# Altium PCB ST1-1-BASIS.PcbDoc (part 5 of 7)
Units mm, origin at the board's own origin, x right, y up, seen from the top; angles counter-clockwise.
Board outline 88 x 170 mm, 6 copper layers (Top Layer, Mid 1, Mid 2 (GND), Mid 3 (PWR), Mid 4, Bottom Layer), stack 1.55 mm thick; 633 components, 333 nets, 1767 pads, 930 vias.
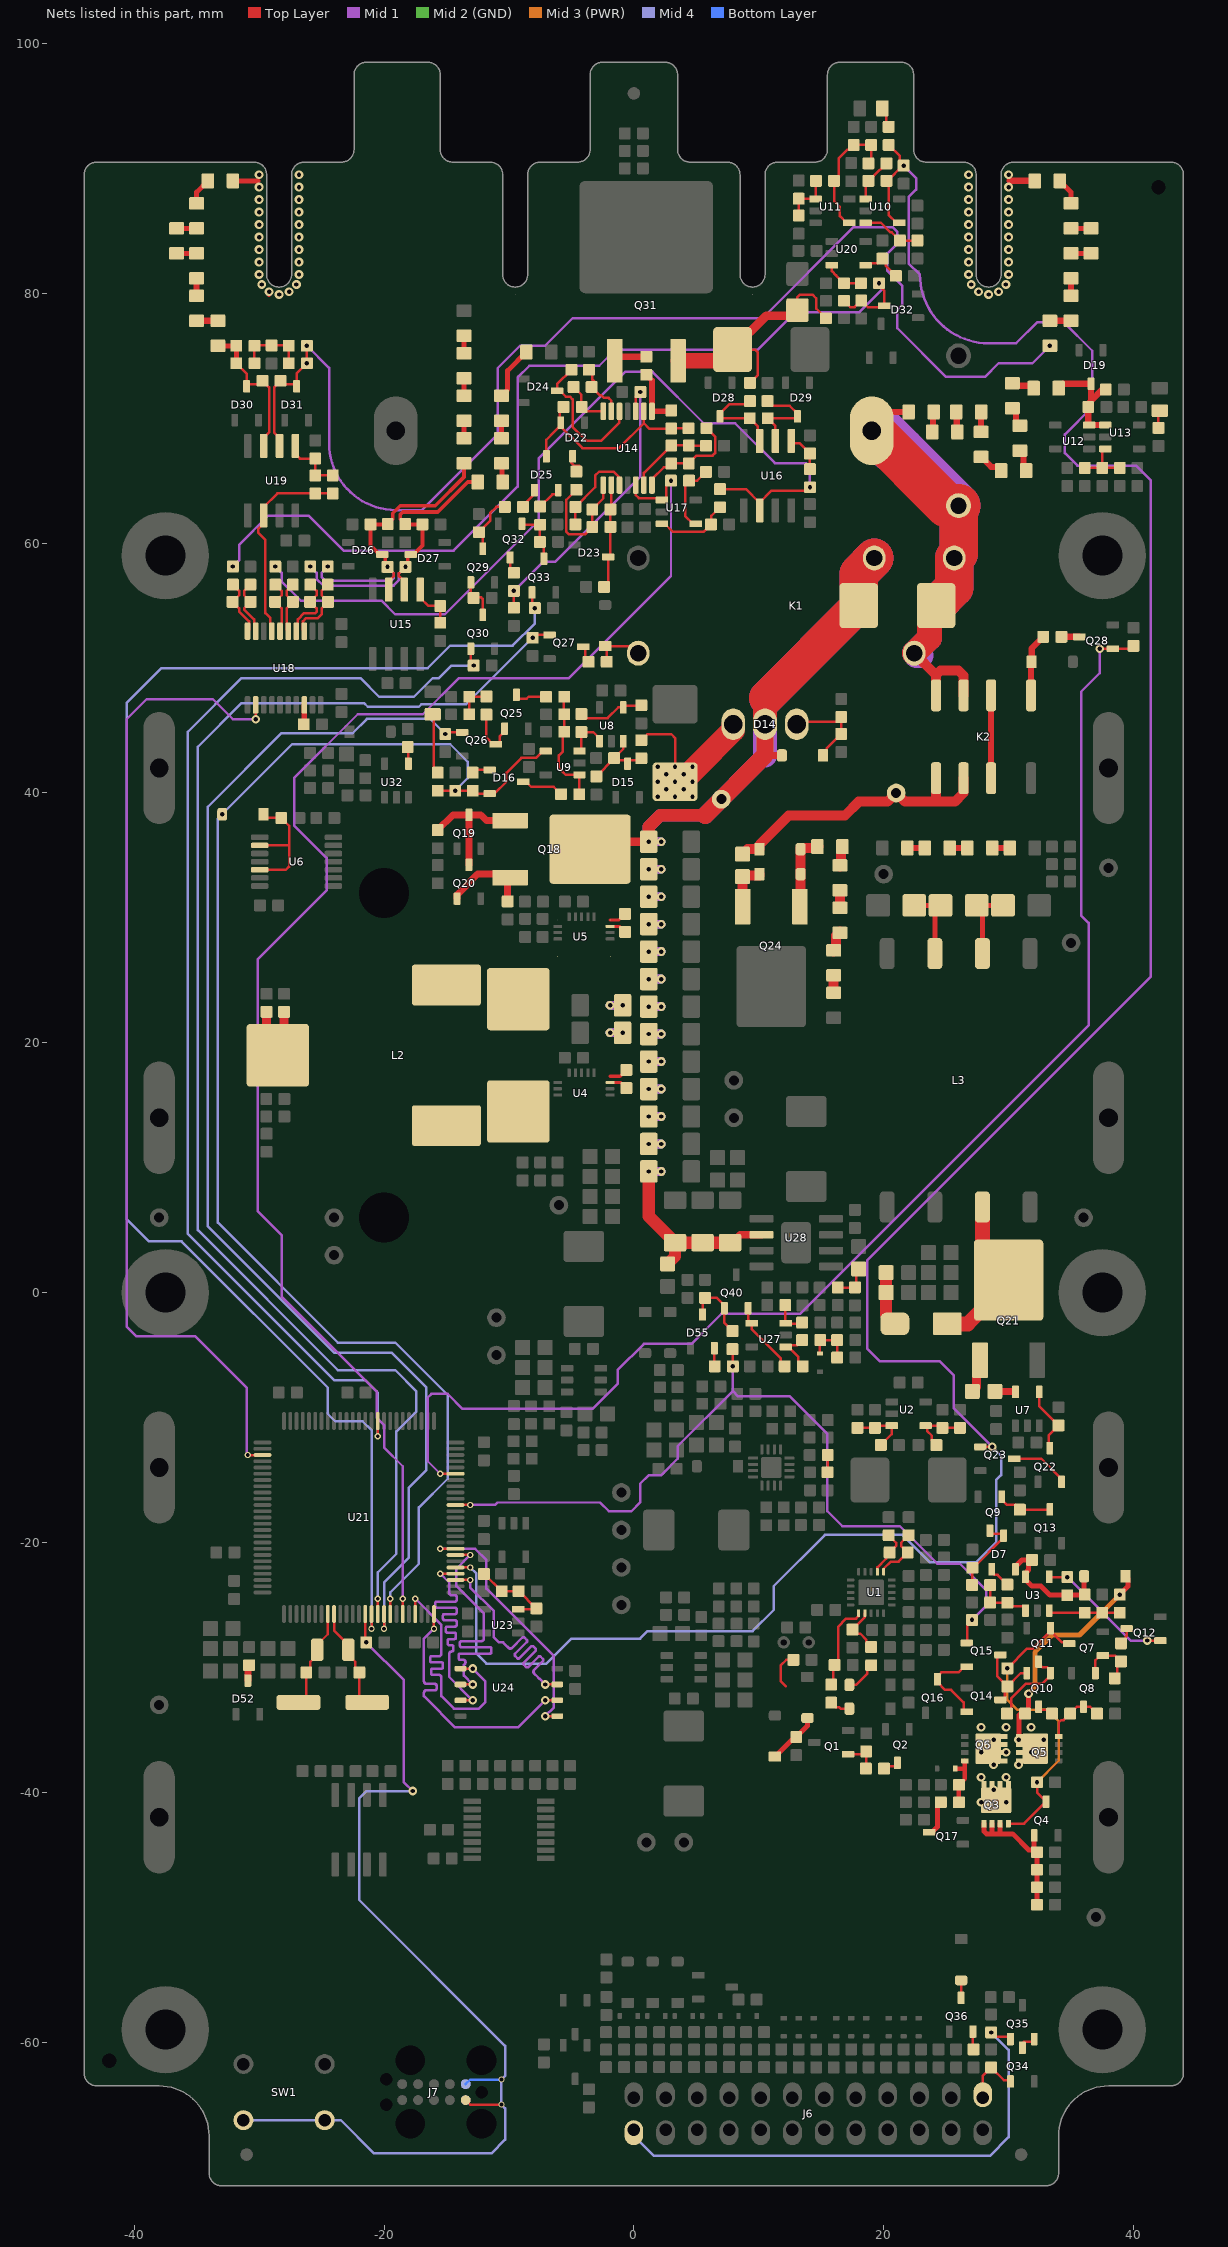
[diagram p9: the nets of this part, all layers, seen from the top]

## Via types
v1: diameter 0.7, hole 0.35, Top Layer to Bottom Layer, tented both sides, 808 vias
v2: diameter 0.5, hole 0.3, Top Layer to Bottom Layer, tented both sides, 94 vias
v3: diameter 0.7, hole 0.35, Top Layer to Bottom Layer, 28 vias

## Nets (pads, with @x,y where several pads share a name; then routed paths per layer and width w, separated by ;. In a path a pad name is that pad's centre, name@x,y a point inside that pad or via, vN(x,y) a via of type N, cw(c..) or ccw(c..) an arc to the next point about the centre after c; other vN are vias at no path point) (continued)
I_ISO_P: C62.1 D32.3 R125.2 R198.2 R200.1 | length 75.9
  Top Layer w0.2: R125.2@16.825,79.4 17.325,78.9 17.675,78.9 C62.1@18.2,79.425 18.725,78.9 19.95,78.9 D32.3@20.05,79 20.05,80.175 19.525,80.7 v1(19.625,80.8)
  Mid 1 w0.2: v1(-32.1,58.125) -31.6,58.625 -31.6,59.866 -29.266,62.2 -26.034,62.2 -23.234,59.4 -14.426,59.4 -9.3,64.526 -9.3,73.266 -8.366,74.2 -2.766,74.2 -1.466,75.5 9.934,75.5 12.934,78.5 18.06,78.5 19.9,80.34 19.9,80.525 v1(19.625,80.8)
I_OUT: R175.2 U14.5 U17.1@2.25,63.45 U21.20 | length 124.6
  Top Layer w0.2: U21.20@-18.5,-25.725 v2(-18.5,-24.5) ; U14.5@0.15,64.65 0.15,63.85 0.4,63.6 2.1,63.6 U17.1@2.25,63.45 2.45,63.45 2.6,63.6 2.6,64.625 v1(2.975,65)
  Mid 1 w0.2: v2(-18.5,-24.5) -18.5,-13.9 -20,-12.4 -20,-10.6 -20.6,-10 -20.6,-7.9 -28.2,-0.3 -28.2,4.6 -30.1,6.5 -30.1,26.7 -24.6,32.2 -24.6,34.8 -27.2,37.4 -27.2,41.2 -22.1,46.3 -16.9,46.3 -14,49.2 -5.2,49.2 2.975,57.375 v1(2.975,65)
I_OUT_N: C63.2 D29.3 R130.2 U16.2 | length 7.5
  Top Layer w0.2: R130.2@10.7,71.375 11.075,71 12.475,71 13.1,70.375 D29.3@13.1,70.15 12.95,70 C63.2@10.725,70 11.335,69.39 U16.2@11.335,68.18
I_OUT_P: C63.1 D28.3 R128.2 U16.3 | length 7.6
  Top Layer w0.2: R128.2@9.3,71.375 9.025,71.1 7.625,71.1 6.9,70.375 D28.3@6.9,70.15 7.05,70 C63.1@9.275,70 9.9,69.375 9.9,68.345 U16.3@10.065,68.18
ISO_I_SRC: D10.2 Q24.2 R74.1 | length 3.9
  Top Layer w0.8: Q24.2@8.7,30.914 R74.1@8.7,33.3 8.8,33.4 10.05,33.4 D10.2@10.05,33.5
LV_SW_PRIM: L1.1 L2.1 U4.5
LV_SW_SEC: L1.2 L2.2 U5.5
NetC1_1: C1.1 R1.2 U1.17 | length 3.9
  Top Layer w0.2: U1.17@18.5,-25.65 18.5,-25.975 C1.1@17.5,-26.975 17.825,-27.3 18.127,-27.3 18.625,-27.798 18.625,-28 R1.2@19,-28.375
NetC4_1: C4.1 R2.2 U1.16 | length 7.3
  Top Layer w0.2: R2.2@15.8,-31.375 15.825,-31.4 15.95,-31.275 C4.1@15.95,-29.925 ; C4.1@16.075,-29.8 C4.1@15.95,-29.925 ; U1.16@18,-25.65 18,-25.9 17.8,-26.1 17,-26.1 16.35,-26.75 16.35,-29.525 C4.1@15.95,-29.925
NetC10_1: C10.1 R11.1 U1.7 | length 3.8
  Top Layer w0.2: U1.7@19.5,-22.35 19.5,-22 20.2,-21.3 20.2,-21.075 C10.1@20.475,-20.8 21,-20.275 21,-20.025 R11.1@20.4,-19.425
NetC10_2: C10.2 R13.1 U1.6 | length 4.6
  Top Layer w0.2: U1.6@20,-22.35 20,-22.1 20.575,-21.525 21.2,-21.525 C10.2@21.925,-20.8 21.4,-20.275 21.4,-20.025 R13.1@22,-19.425
NetC12_2: C12.2 R17.2 R18.2 U2.3 | length 4.7
  Top Layer w0.2: R17.2@17.9,-10.825 C12.2@19.3,-10.825 19.475,-10.65 U2.3@20.65,-10.65 20.65,-11.325 R18.2@19.775,-12.2
NetC14_1: C14.1 R19.2 R20.1 U2.4 | length 4.7
  Top Layer w0.2: R19.2@24.225,-12.2 23.85,-11.825 23.85,-11.45 23.5,-11.1 23.5,-10.8 U2.4@23.35,-10.65 24.7,-10.65 24.875,-10.825 R20.1@26.1,-10.825
NetC16_1: C16.1 D5.1 D7.2 R35.1 R37.1 U3.5 | length 10.3
  Top Layer w0.4: D7.2@30.55,-22.15 30.55,-21.925 31.075,-21.4 C16.1@31.875,-21.4 31.6,-21.675 31.6,-22.206 31.35,-22.456 U3.5@31.35,-22.75 31.35,-22.975 31.875,-23.5 32.6,-23.5 33.3,-24.2 34.725,-24.2 36.075,-24.2 R35.1@36.1,-24.175 36.05,-24.125 D5.1@36.05,-22.7
NetC17_1: C17.1 R39.2 R44.2 U3.1@31.35,-25.45 | length 4.6
  Top Layer w0.2: R39.2@28.525,-23.4 C17.1@28.525,-24.8 28.55,-24.825 R44.2@29.9,-24.825 30.175,-25.1 31.2,-25.1 31.35,-25.25 U3.1@31.35,-25.45
NetC39_1: C39.1 U4.10 | length 1.5
  Top Layer w0.25: U4.10@-1.9,16.825 -1.05,16.825 C39.1@-0.6,16.375
NetC39_2: C39.2 U4.11 | length 1.5
  Top Layer w0.25: U4.11@-1.9,17.325 -1.1,17.325 C39.2@-0.6,17.825
NetC40_1: C40.1 U5.10 | length 1.4
  Top Layer w0.25: U5.10@-1.9,29.325 -1.15,29.325 C40.1@-0.7,28.875
NetC40_2: C40.2 U5.11 | length 1.4
  Top Layer w0.25: U5.11@-1.9,29.825 -1.2,29.825 C40.2@-0.7,30.325
NetC48_2: C48.2 D9.1 R62.2 | length 4.4
  Top Layer w0.95: R62.2@20.2,1.6 C48.2@20.2,0 20.2,-1.8 D9.1@20.9,-2.5
NetC51_1: C51.1 R80.2 R81.1 | length 2.8
  Top Layer w0.2: R80.2@-13.175,46.3 C51.1@-13.175,47.7 -13.162,47.713 -11.813,47.713 R81.1@-11.8,47.725
NetC52_1: C52.1 D13.2 D14.3 R89.1 | length 7.5
  Top Layer w0.2: D14.3@13.04,45.5 13.24,45.7 16.225,45.7 R89.1@16.6,46.075 C52.1@16.6,44.725 15.425,43.55 15.425,43.275 D13.2@15.15,43
NetC55_1: C55.1 R98.1 R102.1 R105.2 U11.4 | length 10.6
  Top Layer w0.2: U11.4@17.25,85.65 17.025,85.65 16.5,86.175 16.5,86.9 16.025,87.375 R105.2@16.025,89 16.4,89.375 16.4,90.8 17.1,91.5 17.225,91.5 R98.1@17.6,91.875 C55.1@19,91.875 19,90.625 R102.1@18.775,90.4
NetC60_1: C60.1 D19.3 R119.2 R121.1 U12.3 U13.1@37.75,69.45 | length 9.7
  Top Layer w0.5: C60.1@36.6,71.175 D19.3@36.6,72.75 R119.2@34.35,72.75 ; U13.1@37.75,69.45 U12.3@36.45,69.45 36.375,69.525 C60.1@36.375,70.9 36.375,71.175 36.575,71.375 37.5,72.3 R121.1@37.775,72.3 ; R119.2@34.35,72.75 R119.2@34,72.4 R119.2@34.35,72.75
NetC61_1: C61.1 R117.2 R122.1 U13.3 | length 4.6
  Top Layer w0.2: R122.1@36.1,66.025 C61.1@37.5,66.025 ; U13.3@37.75,67.55 37.5,67.55 C61.1@37.5,66.025 ; R117.2@38.9,66.025 C61.1@37.5,66.025
NetC64_1: C64.1 R132.1 R135.1 U14.1 | length 9.8
  Top Layer w0.2: R132.1@-4.6,64.275 -5.4,63.475 -5.4,60.9 -5.2,60.7 -3.925,60.7 R135.1@-3.325,61.3 C64.1@-3.325,62.7 -2.45,63.575 U14.1@-2.45,64.65
NetC64_2: C64.2 D23.3 R133.1 R135.2 U14.2 | length 8.4
  Top Layer w0.2: R133.1@-2.375,56.5 -2.05,56.825 D23.3@-2.05,58.9 -1.875,59.075 R135.2@-1.875,61.3 C64.2@-1.875,62.7 -1.8,62.775 U14.2@-1.8,64.65
NetC65_1: C65.1 C66.1 D22.2 D25.3 R143.2 U14.9 | length 20.4
  Top Layer w0.2: D25.3@-7,66.95 -7,68.275 -6.338,68.937 D22.2@-5.9,69.375 ; D22.2@-5.95,69.425 -4.125,67.6 ; D22.2@-5.95,69.65 -5.95,70.575 -5.788,70.738 C65.1@-5.625,70.9 ; U14.9@0.8,70.55 0.8,69.6 ; R143.2@4.375,69.2 3.025,69.2 C66.1@3,69.175 1.225,69.175 0.8,69.6 ; D22.2@-5.9,69.375 D22.2@-5.85,69.425 ; D22.2@-5.9,69.375 -4.125,67.6 ; D22.2@-5.9,69.375 D22.2@-5.85,69.425 ; D22.2@-5.85,69.425 D22.2@-5.85,69.65 D22.2@-5.85,69.425 ; -4.125,67.6 -1.2,67.6 0.8,69.6
NetC65_2: C65.2 R138.1 U14.14 | length 3.7
  Top Layer w0.2: R138.1@-4.825,72.5 -4.2,71.875 -4.2,70.925 -3.825,70.55 U14.14@-2.45,70.55
NetC66_2: C66.2 R144.1 U14.8 | length 4.7
  Top Layer w0.45: R144.1@1,73.475 1.45,73.025 U14.8@1.45,70.55 2.925,70.55 C66.2@3,70.625
NetC67_1: C67.1 R143.1 R145.1 U14.7 | length 8.7
  Top Layer w0.2: U14.7@1.45,64.65 1.45,65.125 2.4,66.075 2.7,66.075 C67.1@3,66.375 R145.1@4.4,66.375 5.025,67 6.3,67 6.5,67.2 6.5,68.525 R143.1@5.825,69.2
NetC67_2: C67.2 R145.2 R146.1 U14.6 | length 6.9
  Top Layer w0.2: U14.6@0.8,64.65 0.8,65.625 C67.2@3,67.825 R145.2@4.4,67.825 4.412,67.813 5.763,67.813 R146.1@5.775,67.8
NetC70_1: C70.1 R151.2 R153.2 U14.10 | length 23.7
  Top Layer w0.2: R153.2@-9.6,54.825 v1(-9.6,56.175) ; U14.10@0.15,70.55 0.15,71.725 v1(0.525,72.1)
  Mid 1 w0.2: v1(-9.6,56.175) -7.275,58.5 -6.3,58.5 0.525,65.325 v1(0.525,72.1)
NetC71_1: C71.1 D26.3 R157.1 R158.1 R159.1 R169.1 U15.3 | length 24.7
  Top Layer w0.2: v1(-19.725,58.1) -19.2,57.575 -19.2,57.365 -19.635,56.93 U15.3@-19.635,56.28
  Top Layer w0.3: D26.3@-20.264,59.175 -20.45,59.175 -21.075,59.8 R158.1@-21.075,61.5 R159.1@-19.725,61.5 ; D26.3@-20.15,59.1 -19.9,58.85 -19.9,58.275 v1(-19.725,58.1) ; R159.1@-19.7,61.525 -19.3,61.925 -19.3,62.4 -18.7,63 -15.9,63 -13.6,65.3 R157.1@-13.6,66.4
  Mid 1 w0.2: v1(-24.5,58.125) -25,57.625 -25,57.3 -24.7,57 -19.4,57 -19.2,57.2 -19.2,57.575 v1(-19.725,58.1)
NetC71_2: C71.2 D27.3 R161.2 R162.2 R167.2 R168.1 U15.2 | length 25.2
  Top Layer w0.2: U15.2@-18.365,56.28 -18.365,56.93 -18.8,57.365 -18.8,57.575 v1(-18.275,58.1)
  Top Layer w0.3: v1(-18.275,58.1) -18.1,58.275 -18.1,58.85 D27.3@-17.85,59.1 ; D27.3@-17.736,59.175 -17.55,59.175 -16.925,59.8 R161.2@-16.925,61.5 -18.275,61.5 R162.2@-18.3,61.525 -18.7,61.925 -18.7,62.3 -18.5,62.5 -15.7,62.5 -13.3,64.9 R167.2@-12.5,64.9
  Mid 1 w0.2: v1(-25.9,58.125) -25.4,57.625 -25.4,57.134 -24.866,56.6 -19.234,56.6 -18.8,57.034 -18.8,57.575 v1(-18.275,58.1)
NetC74_1: C74.1 R168.2 U18.4 | length 5.6
  Top Layer w0.2: U18.4@-27.025,52.95 -26.9,53.075 -26.9,53.9 -26.4,54.4 -25.5,54.4 -25.4,54.5 -25.4,54.775 C74.1@-25.925,55.3 -25.4,55.825 -25.4,56.175 R168.2@-25.9,56.675
NetC74_2: C74.2 R169.2 U18.3 | length 5.6
  Top Layer w0.2: U18.3@-26.375,52.95 -26.5,53.075 -26.5,53.734 -26.234,54 -25.3,54 -25,54.3 -25,54.775 C74.2@-24.475,55.3 -25,55.825 -25,56.175 R169.2@-24.5,56.675
NetC79_1: C79.1 R176.2 U18.5 | length 4.4
  Top Layer w0.2: U18.5@-27.675,52.95 -27.8,53.075 -27.8,54.775 C79.1@-27.275,55.3 -27.8,55.825 -27.8,56.175 R176.2@-27.3,56.675
NetC79_2: C79.2 R177.2 U18.6 | length 4.4
  Top Layer w0.2: R177.2@-28.7,56.675 -28.2,56.175 -28.2,55.825 C79.2@-28.725,55.3 -28.2,54.775 -28.2,53.075 U18.6@-28.325,52.95
NetC80_1: C80.1 R186.1 U18.7 U19.6 | length 16.5
  Top Layer w0.2: U18.7@-28.975,52.95 -29.1,53.075 -29.1,54 -29.5,54.4 -29.5,60.266 -30.05,60.816 -30.05,61.155 -29.635,61.57 U19.6@-29.635,62.22 -29.635,62.87 -28.53,63.975 C80.1@-25.5,63.975 R186.1@-24.1,63.975
NetC80_2: C80.2 R186.2 R190.1 U19.1@-27.095,67.78 | length 5.1
  Top Layer w0.2: U19.1@-27.095,67.78 -27.095,67.13 -26.74,66.775 R190.1@-25.5,66.775 C80.2@-25.5,65.425 R186.2@-24.1,65.425
NetC81_1: C81.1 D30.3 R183.2 R184.1 R185.1 U19.3 | length 12.1
  Top Layer w0.2: R184.1@-31.825,74.4 -31,73.575 D30.3@-31,72.55 -30.85,72.7 -30.025,72.7 C81.1@-29.725,73 -29.2,72.475 -29.2,68.865 -29.635,68.43 U19.3@-29.635,67.78
  Top Layer w0.4: R183.2@-33.3,75.8 R185.1@-31.825,75.8 R184.1@-31.825,74.4
NetC81_2: C81.2 D31.3 R188.2 R189.2 R196.2 U19.2 | length 103.9
  Top Layer w0.2: U19.2@-28.365,67.78 -28.365,68.43 -28.8,68.865 -28.8,72.475 C81.2@-28.275,73 -27.975,72.7 -27.15,72.7 D31.3@-27,72.55 -27,73.575 v1(-26.175,74.4) v1(-26.175,75.8)
  Mid 1 w0.2: v1(-26.175,75.8) -24.4,74.025 -24.4,68 ccw(c-19.05,68) -19.05,62.65 -16.95,62.65 -10.9,68.7 -10.9,74 -9.1,75.8 -7.1,75.8 -4.9,78 10.3,78 17.6,85.3 20.7,85.3 21.1,84.9 21.1,84 20.3,83.2 20.3,81.8 21.481,80.619 21.481,79.081 21.1,78.7 21.1,77.2 25,73.3 28.1,73.3 29.2,74.4 31.9,74.4 v1(33.3,75.8)
NetC82_1: C82.1 U18.18 | length 1.6
  Top Layer w0.45: C82.1@-26.425,45.5 -26.375,45.55 U18.18@-26.375,47.05
NetC83_1: C83.1 R198.1 U18.10 | length 4.8
  Top Layer w0.2: R198.1@-32.1,56.675 -31.6,56.175 -31.6,55.825 C83.1@-32.125,55.3 -31.6,54.775 -31.6,54.534 -30.8,53.734 -30.8,53.075 U18.10@-30.925,52.95
NetC83_2: C83.2 R199.1 U18.9 | length 4.8
  Top Layer w0.2: R199.1@-30.7,56.675 -31.2,56.175 -31.2,55.825 C83.2@-30.675,55.3 -31.2,54.775 -31.2,54.7 -30.4,53.9 -30.4,53.075 U18.9@-30.275,52.95
NetC90_1: C90.1 U21.8 Y1.1 Y2.1 | length 8.2
  Top Layer w0.2: Y1.1@-26.85,-32.8 -26.6,-32.8 -26.225,-32.425 C90.1@-26.225,-30.4 -25.9,-30.075 -25.9,-29.55 -25.35,-29 Y2.1@-25.35,-28.6 ; Y2.1@-25.35,-28.608 -25.35,-28.2 -24.5,-27.35 U21.8@-24.5,-25.725
NetC91_1: C91.1 U21.9 Y1.2 Y2.2 | length 8.3
  Top Layer w0.2: U21.9@-24,-25.725 -24,-27.05 -22.85,-28.2 Y2.2@-22.85,-28.6 -22.85,-29 -22.299,-29.551 -22.299,-30.076 C91.1@-21.975,-30.4 -21.975,-32.425 -21.6,-32.8 Y1.2@-21.35,-32.8
NetC103_1: C103.1 R236.2 R237.2 R238.1 U23.3 | length 6.8
  Top Layer w0.2: R236.2@-12,-22.525 -11.975,-22.525 -10.6,-23.9 R237.2@-10.575,-23.9 R238.1@-9.225,-23.9 -9.2,-23.9 -7.825,-25.275 C103.1@-7.8,-25.275 -7.875,-25.35 U23.3@-9.25,-25.35
NetC111_1: C111.1 D54.1 R251.2 R253.1 | length 3.8
  Top Layer w0.2: D54.1@14.9,-4.875 14.9,-3.825 R253.1@14.925,-3.8 C111.1@16.275,-3.8 R251.2@16.275,-5.2
NetC112_1: C112.1 D55.3 Q40.1@7.25,-1.25 R257.2 | length 5.5
  Top Layer w0.2: D55.3@5.5,-1.75 5.5,-0.625 5.725,-0.4 6.625,-0.4 7.25,-1.025 Q40.1@7.25,-1.25 7.25,-2.425 R257.2@7.9,-3.075
NetC119_1: C119.1 C120.1 R260.2 | length 3
  Top Layer w0.2: C120.1@16.325,0.4 17.583,0.4 C119.1@17.7,0.517 ; C119.1@17.7,0.425 C119.1@17.7,0.517 ; R260.2@18,1.9 17.8,1.7 17.8,0.617 C119.1@17.7,0.517
NetC131_1: C131.1 R273.2 | length 1.4
  Top Layer w0.2: C131.1@15.5,-14.375 15.525,-14.35 R273.2@15.525,-13
NetC150_1: C150.1 U32.4 | length 1.3
  Top Layer w0.2: C150.1@-18.1,43.675 -18.05,43.625 U32.4@-18.05,42.35
NetD1_1: D1.1 R1.1 | length 2.6
  Top Layer w0.2: D1.1@17.25,-31.4 17.8,-31.4 18.7,-30.5 18.7,-30.125 R1.1@19,-29.825
NetD2_1: D2.1 R2.1 | length 1.6
  Top Layer w0.2: R2.1@15.8,-32.825 16.175,-33.2 16.45,-33.2 16.55,-33.3 D2.1@17.25,-33.3
NetD3_2: D3.2 D4.1 R21.1 | length 4.3
  Top Layer w0.4: D3.2@11.3,-37.15 12.875,-35.575 R21.1@13,-35.575 13.9,-34.675 D4.1@13.9,-34.05
NetD5_2: D5.2 Q3.5 Q5.5 Q6.5 R33.1 R36.1 | length 18
  Top Layer w0.4: Q5.5@30.875,-35.525 30.85,-35.525 30.85,-33.8 30.95,-33.7 R33.1@31.325,-33.7 31.6,-33.425 v1(31.6,-32.1) ; v1(38.9,-24.175) 39.55,-23.525 39.55,-22.9 D5.2@39.35,-22.7
  Mid 3 (PWR) w0.4: v1(31.6,-32.1) 32.1,-31.6 32.1,-28.8 33.5,-27.4 35.675,-27.4 v1(38.9,-24.175)
  other v1: 27.8,-40.8 29.8,-40.8 28.8,-39.8 27.8,-38.8 29.8,-38.8 28.8,-37.8 30.8,-37.8 27.8,-36.8 29.8,-36.8 31.8,-36.8 28.8,-35.8 30.8,-35.8 32.8,-35.8 27.8,-34.8 29.8,-34.8 31.8,-34.8
NetD6_2: D6.2 Q6.4 R31.2 R41.1 | length 4.3
  Top Layer w0.35: D6.2@25.725,-38.1 26.5,-38.1 ; R41.1@26.025,-40.8 R31.2@26.025,-39.4 26.5,-38.925 26.5,-38.1 ; Q6.4@26.5,-37.475 26.5,-38.1
NetD7_1: D7.1@28.65,-22.15 R44.1 | length 1.9
  Top Layer w0.2: D7.1@28.65,-22.15 28.65,-22.375 28.875,-22.6 29.125,-22.6 R44.1@29.9,-23.375
NetD7_3: D7.3 Q9.3 R39.1 R43.1 | length 6.3
  Top Layer w0.2: R39.1@27.075,-23.4 27.1,-23.375 R43.1@27.1,-22.025 27.175,-22.025 29.6,-19.6 D7.3@29.6,-19.45 29.45,-19.3 28.675,-19.3 28.5,-19.125 Q9.3@28.5,-19.05
NetD8_2: D8.2 R47.2 U6.9 U6.12 | length 10.5
  Top Layer w0.2: U6.12@-29.95,33.85 -27.85,33.85 -27.6,34.1 -27.6,35.8 ; U6.9@-29.95,35.8 -27.6,35.8 ; D8.2@-29.65,38.3 -29.35,38 R47.2@-28.225,38 -27.6,37.375 -27.6,35.8
NetD9_2: D9.2 L3.3 Q21.3 | length 13.2
  Top Layer w1.2: D9.2@25.1,-2.5 26.731,-2.5 30,0.769 Q21.3@30,1 27.905,3.095 L3.3@27.905,6.85
NetD10_1: D10.1 D11.1 Q24.1@13.286,30.9 R79.2 | length 6.3
  Top Layer w0.8: Q24.1@13.286,30.9 13.35,30.964 D10.1@13.35,33.5 ; D10.1@13.35,33.4 13.35,35.6 14.7,35.6 R79.2@14.8,35.7
NetD12_1: D12.1 R87.2 | length 4.8
  Top Layer w0.2: D12.1@-16.1,46.3 -16,46.2 -16,41.925 R87.2@-15.7,41.625
NetD14_1: D14.1 R88.1 R92.1 | length 13.4
  Top Layer w0.2: R88.1@0.6,44.225 1.075,44.7 3,44.7 3.3,44.4 R92.1@3.3,42.124 ; v1(3.3,40.9) R92.1@3.3,42.124 ; v1(3.3,42.1) R92.1@3.3,42.124
  Top Layer w1.9: v1(3.3,40.9) 3.832,40.9 4.866,41.934 7.96,45.028 D14.1@7.96,45.5
  other v1: 1.9,39.7 3.3,39.7 4.7,39.7 2.6,40.3 4,40.3 1.9,40.9 4.7,40.9 2.6,41.5 4,41.5 1.9,42.1 4.7,42.1
NetD15_3: D15.3 R85.2 R88.2 R90.1 U8.3 | length 6.3
  Top Layer w0.2: R85.2@-3,41.325 -1.575,42.75 R90.1@-1.575,42.8 ; U8.3@-0.85,44.15 -0.85,43.525 R90.1@-1.575,42.8 ; R88.2@0.6,42.775 0.425,42.6 -0.25,42.6 D15.3@-0.5,42.35 -0.75,42.6 -1.375,42.6 R90.1@-1.575,42.8
NetD16_1: D16.1@-11.55,41.85 R91.1 | length 1.4
  Top Layer w0.2: R91.1@-12.9,41.625 -12.675,41.85 D16.1@-11.55,41.85
NetD16_3: D16.3 R93.2 | length 3.4
  Top Layer w0.2: D16.3@-8.85,40.9 -8.625,40.9 -8.225,40.5 -6.425,40.5 R93.2@-5.825,39.9
NetD17_1: D17.1 R101.2 | length 1.7
  Top Layer w0.2: D17.1@19.9,94.8 20.2,94.5 20.2,93.525 R101.2@20.4,93.325
NetD18_2: D18.2 K1.1 R111.1 | length 4.2
  Top Layer w0.2: R111.1@-2.175,50.5 -2.175,51.625 D18.2@-2.3,51.75 -0.21,51.75 K1.1@0.35,51.19
NetD20_2: D20.2 K2.1 R123.1 | length 5.1
  Top Layer w0.5: K2.1@31.8,47.82 31.8,50.45 D20.2@31.85,50.5 31.85,51.575 R123.1@32.775,52.5
NetD21_2: D21.2 R120.1 | length 1.4
  Top Layer w0.2: R120.1@42,69.225 42,70.5 D21.2@42.1,70.6
NetD22_3: D22.3 R132.2 | length 1.8
  Top Layer w0.2: D22.3@-4.9,66.95 -5,66.85 -5,66.425 -4.78,66.205 -4.38,66.205 -4.38,65.945 R132.2@-4.6,65.725
NetD24_3: D24.3 R137.1 U14.12 | length 11.6
  Top Layer w0.2: R137.1@-5,73.875 -6.15,72.725 D24.3@-6.15,72.2 -5.925,72.2 -5.449,71.724 -5.124,71.724 -4.9,71.5 -4.9,69.3 -3.8,68.2 -2.6,68.2 -1.15,69.65 U14.12@-1.15,70.55
NetD25_1: D25.1@-7.95,64.25 R140.2 | length 1.7
  Top Layer w0.2: R140.2@-8.875,62.9 -8.875,63.013 -7.95,63.938 D25.1@-7.95,64.25
NetD25_2: D25.2 R147.1 | length 2.2
  Top Layer w0.2: R147.1@-7.5,62.925 -6.525,63.9 -6.05,63.9 D25.2@-6.05,64.25
NetD34_1: D34.1 Q36.3 | length 1.4
  Top Layer w0.2: Q36.3@26.2,-56.45 D34.1@26.2,-55.05
NetD52_3: D52.3 R235.1 | length 1.3
  Top Layer w0.55: D52.3@-30.9,-31.05 -30.9,-29.925 R235.1@-30.8,-29.825
NetD55_2: D55.2 R258.2 | length 1.5
  Top Layer w0.2: D55.2@6.45,-4.45 6.45,-5.875 R258.2@6.475,-5.9
NetJ1_2: J1.2 R16.1 | length 3
  Top Layer w0.2: J1.2@12.15,-31.5 11.75,-31.1 11.75,-29.85 12.2,-29.4 R16.1@12.775,-29.4
NetJ6_1: J6.1 Q35.1@30.15,-59.75 R203.2 | length 42.5
  Top Layer w0.2: v1(28.6,-59.225) 28.925,-59.55 29.975,-59.55 30.15,-59.725 Q35.1@30.15,-59.75
  Mid 4 w0.2: J6.1@0,-67 0,-67.5 1.6,-69.1 28.5,-69.1 30,-67.6 30,-60.625 v1(28.6,-59.225)
NetJ6_24: J6.24 Q34.1@30.15,-63.15 R204.2 | length 4.7
  Top Layer w0.2: J6.24@27.94,-64.46 27.94,-62.685 R204.2@28.6,-62.025 29.625,-63.05 30.05,-63.05 Q34.1@30.15,-63.15
NetK2_4: K2.4 K2.7 | length 6.6
  Top Layer w0.5: K2.7@28.6,41.18 K2.4@28.6,47.82
NetL2_3: L2.3 R48.1 R49.1 | length 7.5
  Top Layer w0.7: R49.1@-29.4,22.475 -29.4,19.9 L2.3@-28.5,19 -28,19.5 R48.1@-28,22.475
NetL3_6: L3.6 R63.2 R65.1 | length 6.1
  Top Layer w0.4: L3.6@27.905,27.15 27.905,30.545 R63.2@27.45,31 R65.1@29.55,31
NetL3_7: L3.7 R60.2 R63.1 | length 6.1
  Top Layer w0.4: R60.2@22.45,31 R63.1@24.55,31 24.095,30.545 L3.7@24.095,27.15
NetQ1_1: Q1.1@17.15,-36.95 R4.2 R6.1 | length 2.9
  Top Layer w0.2: Q1.1@17.15,-36.95 18.375,-36.95 R4.2@18.6,-36.725 R4.2@18.6,-36.85 ; R6.1@18.575,-38.1 18.587,-38.087 R4.2@18.587,-36.913
NetQ2_3: Q2.3 R6.2 | length 1.5
  Top Layer w0.2: R6.2@20.025,-38.1 20.125,-38.2 20.425,-37.9 21.1,-37.9 Q2.3@21.1,-37.65
NetQ3_1,2,3: Q3.1@28.025,-42.5 Q3.2 Q3.3 Q4.1@32.05,-43.45 R22.2 R23.2 R24.2 R25.2 | length 12.3
  Top Layer w0.4: Q3.1@28.025,-42.5 28.025,-43.125 28.225,-43.325 28.675,-43.325 ; Q3.2@28.675,-42.5 28.675,-43.325 ; Q3.3@29.325,-42.5 29.325,-43.325 ; R25.2@32.05,-44.575 Q4.1@32.05,-43.45 ; R25.2@32.075,-44.6 31.6,-44.6 30.325,-43.325 29.325,-43.325 ; R24.2@32.275,-49 R25.2@32.275,-44.8 ; 28.675,-43.325 29.325,-43.325
NetQ3_4: Q3.4 Q4.3 Q7.3 Q11.1@33.35,-26.85 R26.2 R40.1 | length 25.4
  Top Layer w0.2: v1(29.9,-30.075) 31.475,-28.5 31.925,-28.5 33.35,-27.075 34.275,-28 34.75,-28 Q7.3@34.85,-28.1 ; Q3.4@29.975,-42.5 31.25,-42.5 Q4.3@33,-40.75 32.275,-40.025 v1(32.275,-39.2) ; Q11.1@33.35,-27.048 Q11.1@33.35,-26.85
  Mid 3 (PWR) w0.2: v1(29.9,-30.075) 29.9,-32.6 30.7,-33.4 33.1,-33.4 34,-34.3 34,-37.475 v1(32.275,-39.2)
NetQ5_4: Q5.4 Q8.3 R28.2 R32.1 | length 4.9
  Top Layer w0.2: Q5.4@34,-35.525 34,-34.435 34.219,-34.216 34.409,-34.216 R32.1@34.925,-33.7 35.475,-33.15 Q8.3@36,-33.15 36.525,-33.15 R28.2@37.075,-33.7
NetQ7_1: Q7.1@37.55,-29.05 Q8.1@36.95,-30.45 R27.2 R38.1 | length 5
  Top Layer w0.2: Q8.1@36.95,-30.45 36.95,-29.425 37.325,-29.05 Q7.1@37.55,-29.05 38.525,-29.05 R38.1@39,-29.525 38.7,-29.825 38.7,-30.675 R27.2@38.5,-30.875
NetQ9_1: Q9.1@29.45,-16.35 Q13.3 R30.2 | length 4.4
  Top Layer w0.2: Q9.1@29.45,-16.35 29.45,-16.575 29.875,-17 30.525,-17 R30.2@30.9,-17.375 33.275,-17.375 Q13.3@33.3,-17.35